# Altium PCB PCB2.PcbDoc (part 11 of 16)
Units mil, origin at the board's own origin, x right, y up, seen from the top; angles counter-clockwise.
Board outline 9200.79 x 4350.6 mil, 4 copper layers (Top Layer, Layer 1, Layer 2, Bottom Layer), stack 23.756 mil thick; 1249 components, 1355 nets, 4549 pads, 1316 vias.
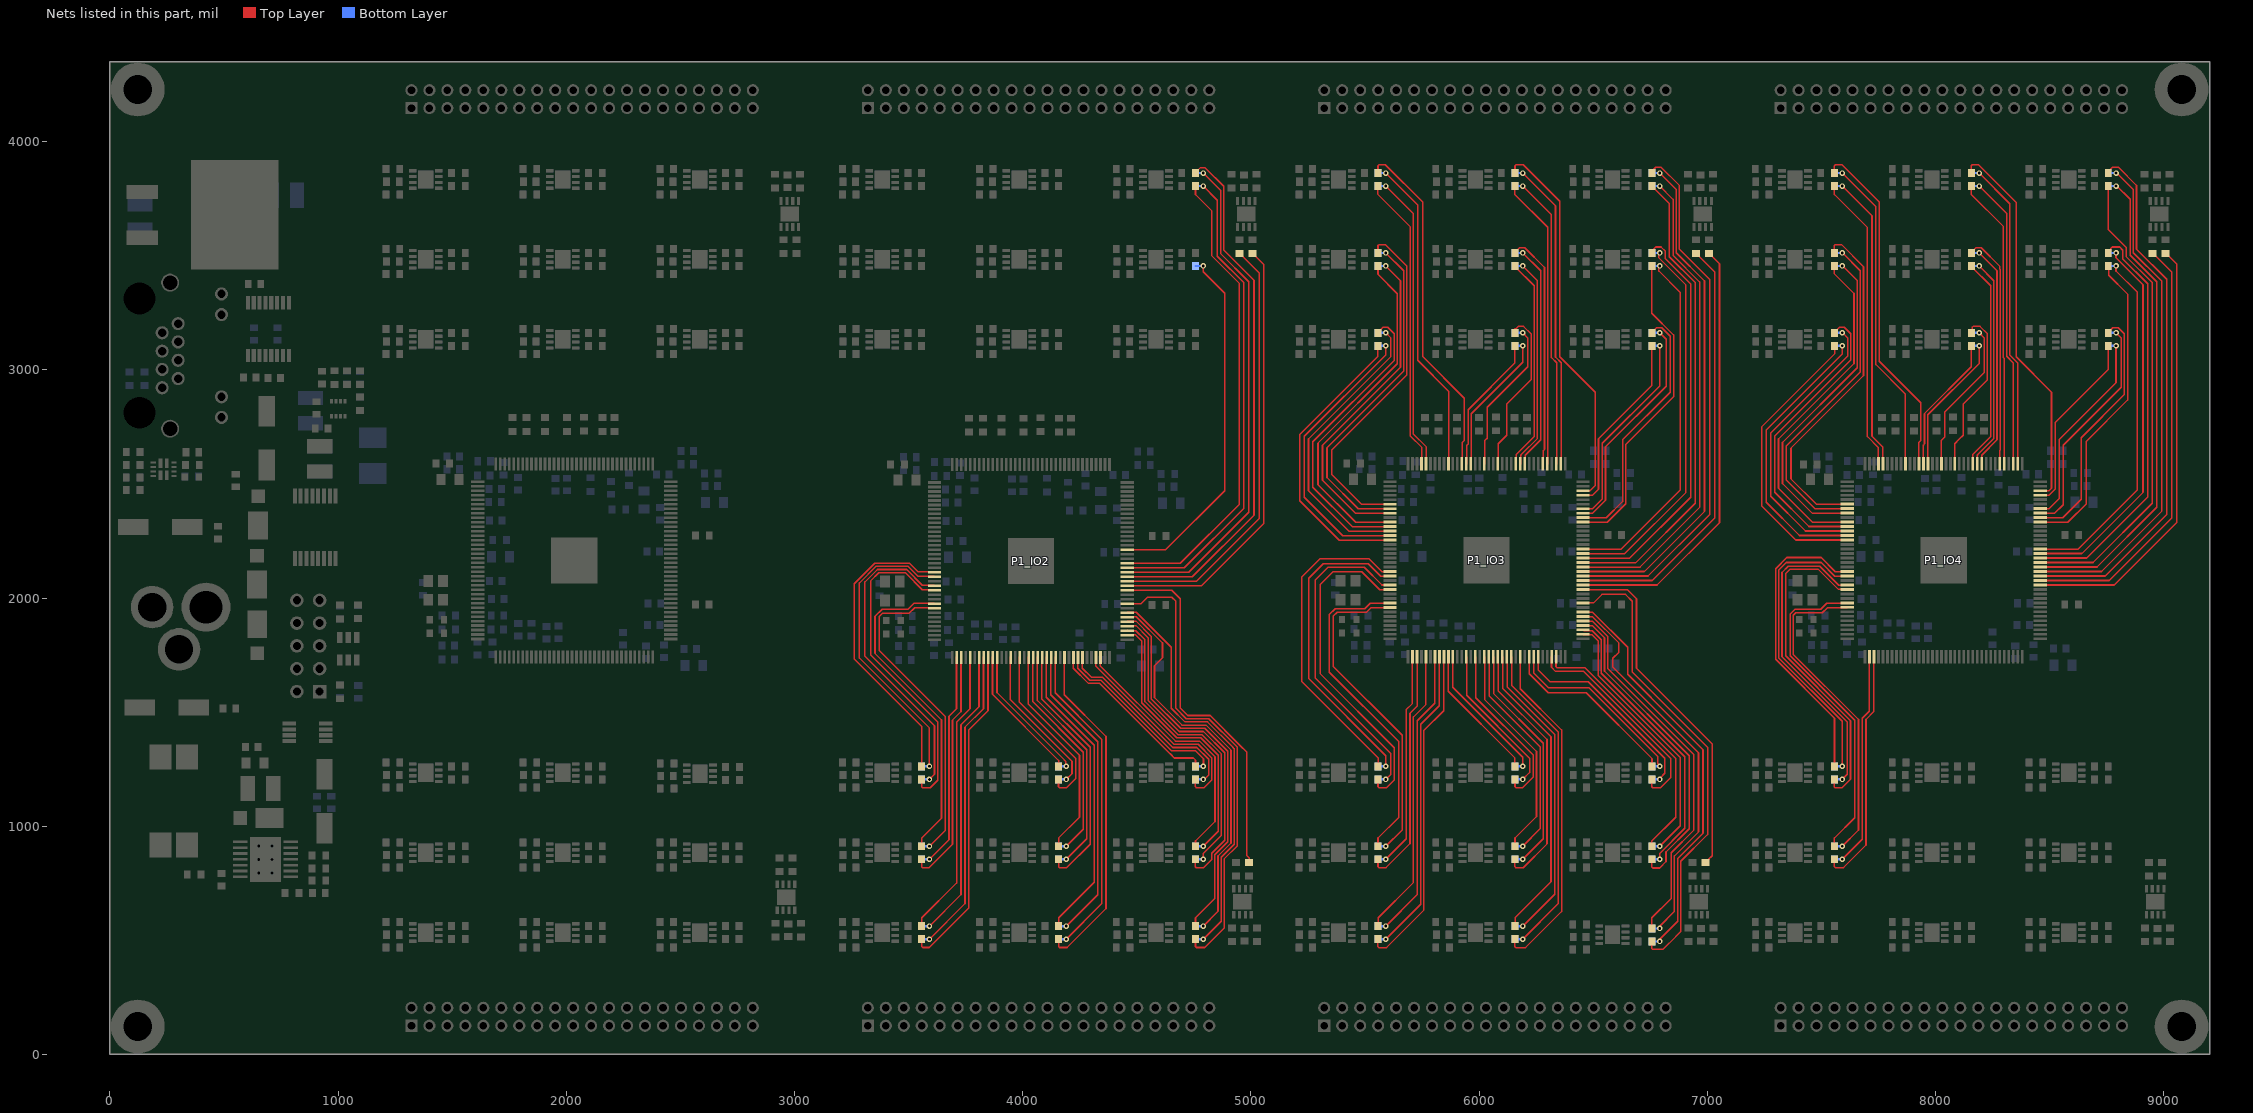
[diagram p13: the nets of this part, all layers, seen from the top]

## Via types
v1: diameter 24, hole 12, Top Layer to Bottom Layer, 1316 vias

## Nets (pads, with @x,y where several pads share a name; then routed paths per layer and width w, separated by ;. In a path a pad name is that pad's centre, name@x,y a point inside that pad or via, vN(x,y) a via of type N, cw(c..) or ccw(c..) an arc to the next point about the centre after c; other vN are vias at no path point) (continued)
V_F2_IN32: P1_IO2.93 R28_U_VoltageAmplifier162.1 | length 1591.7
  Top Layer w7: P1_IO2.93@4458.58,2211.15 4458.78,2210.95 4625.72,2210.95 4884.97,2470.21 4884.97,3335.72 4791.09,3429.61 v1(4791.09,3455.18)
  Bottom Layer w10: R28_U_VoltageAmplifier162.1@4757.09,3455.18 v1(4791.09,3455.18)
V_F2_IN33: P1_IO2.90 R26_U_VoltageAmplifier172.1 | length 2072.2
  Top Layer w7: P1_IO2.90@4458.58,2152.09 4458.78,2151.9 4690.2,2151.9 4949.62,2411.32 4949.62,3378.68 4827.59,3500.71 4827.59,3697.68 4757.09,3768.18 R26_U_VoltageAmplifier172.1@4757.09,3805.18
V_F2_IN34: P1_IO2.87 R28_U_VoltageAmplifier172.1 | length 2331.4
  Top Layer w7: P1_IO2.87@4458.58,2093.04 4458.78,2092.84 4743.31,2092.84 5013.28,2362.81 5013.28,3392.8 4880.96,3525.12 4880.96,3804.12 4800.41,3884.68 4777.09,3884.68 4757.09,3864.68 R28_U_VoltageAmplifier172.1@4757.09,3862.18
  Top Layer w10: R28_U_VoltageAmplifier172.1@4757.09,3862.18 R28_U_VoltageAmplifier172.1@4757.55,3862.64
V_F2_IN35: P1_IO2.88 R26_U_VoltageAmplifier182.1 | length 2244.3
  Top Layer w7: P1_IO2.88@4458.58,2112.72 4458.78,2112.53 4727.34,2112.53 4990.75,2375.94 4990.75,3386.16 4866.96,3509.95 4866.96,3786.3 v1(4791.09,3862.18)
  Bottom Layer w10: R26_U_VoltageAmplifier182.1@4757.09,3862.18 v1(4791.09,3862.18)
V_F2_IN36: P1_IO2.89 R28_U_VoltageAmplifier182.1 | length 2138.4
  Top Layer w7: P1_IO2.89@4458.58,2132.41 4458.78,2132.21 4707.9,2132.21 4969.21,2393.52 4969.21,3381.78 4852.96,3498.02 4852.96,3743.3 v1(4791.09,3805.18)
  Bottom Layer w10: R28_U_VoltageAmplifier182.1@4757.09,3805.18 v1(4791.09,3805.18)
V_F2_IN37: P1_IO2.86 R26_U_VoltageAmplifier192.1 | length 1888.6
  Top Layer w7: P1_IO2.86@4458.58,2073.35 4458.78,2073.16 4761.88,2073.16 5035.81,2347.08 5035.81,3424.8 R26_U_VoltageAmplifier192.1@4950.85,3509.76
V_F2_IN38: P1_IO2.85 R28_U_VoltageAmplifier192.1 | length 1914.2
  Top Layer w7: P1_IO2.85@4458.58,2053.67 4458.78,2053.47 4783.07,2053.47 5056.38,2326.78 5056.38,3461.24 R28_U_VoltageAmplifier192.1@5007.85,3509.76
V_F2_IN39: P1_IO2.25 R26_U_VoltageAmplifier202.1 | length 1439.4
  Top Layer w7: R26_U_VoltageAmplifier202.1@3556.63,1204.72 3556.63,1172.28 3560.73,1168.18 3594.65,1168.18 3627.59,1201.12 3627.59,1456.86 3333.25,1751.19 3333.25,2074.99 3368.98,2110.72 3485.94,2110.72 3560.08,2036.58 P1_IO2.25@3611.97,2036.58
  Top Layer w10: R26_U_VoltageAmplifier202.1@3556.63,1204.72 R26_U_VoltageAmplifier202.1@3557.09,1205.18
V_F2_IN40: P1_IO2.21 R28_U_VoltageAmplifier202.1 | length 1326.4
  Top Layer w7: R28_U_VoltageAmplifier202.1@3557.09,1262.18 3557.55,1262.64 3557.55,1437.34 3261.69,1733.2 3261.69,2062.83 3351.58,2152.72 3503.34,2152.72 3540.74,2115.32 P1_IO2.21@3611.97,2115.32
V_F2_IN41: P1_IO2.22 R26_U_VoltageAmplifier212.1 | length 1340.2
  Top Layer w7: v1(3591.09,1262.18) 3591.09,1430.34 3284.46,1736.96 3284.46,2065.8 3357.38,2138.72 3497.54,2138.72 3540.62,2095.64 P1_IO2.22@3611.97,2095.64
  Bottom Layer w10: R26_U_VoltageAmplifier212.1@3557.09,1262.18 v1(3591.09,1262.18)
V_F2_IN42: P1_IO2.24 R28_U_VoltageAmplifier212.1 | length 1389
  Top Layer w7: v1(3591.09,1205.18) 3613.59,1227.68 3613.59,1439.76 3308.53,1744.81 3308.53,2070.07 3363.18,2124.72 3491.74,2124.72 3560.19,2056.27 P1_IO2.24@3611.97,2056.27
  Bottom Layer w10: R28_U_VoltageAmplifier212.1@3557.09,1205.18 v1(3591.09,1205.18)
V_F2_IN43: P1_IO2.39 R26_U_VoltageAmplifier222.1 | length 1049.3
  Top Layer w7: R26_U_VoltageAmplifier222.1@3556.63,854.72 3556.63,822.28 3560.73,818.18 3589.48,818.18 3692.37,921.07 3692.37,1465.06 3729.61,1502.3 P1_IO2.39@3729.61,1741.78
  Top Layer w10: R26_U_VoltageAmplifier222.1@3556.63,854.72 R26_U_VoltageAmplifier222.1@3557.09,855.18
V_F2_IN44: P1_IO2.28 R28_U_VoltageAmplifier222.1 | length 1447.8
  Top Layer w7: R28_U_VoltageAmplifier222.1@3557.09,912.18 3557.55,912.64 3557.55,948.72 3644.23,1035.41 3644.23,1465.84 3352.77,1757.3 3352.77,1920.17 3383.86,1951.26 3496.93,1951.26 3523.2,1977.53 P1_IO2.28@3611.97,1977.53
V_F2_IN45: P1_IO2.29 R26_U_VoltageAmplifier232.1 | length 1446.4
  Top Layer w7: v1(3591.09,912.18) 3661.26,982.36 3661.26,1480.21 3371.63,1769.84 3371.63,1919.24 3385.95,1933.55 3501.96,1933.55 3526.25,1957.84 P1_IO2.29@3611.97,1957.84
  Bottom Layer w10: R26_U_VoltageAmplifier232.1@3557.09,912.18 v1(3591.09,912.18)
V_F2_IN46: P1_IO2.38 R28_U_VoltageAmplifier232.1 | length 969.8
  Top Layer w7: v1(3591.09,855.18) 3676.81,940.91 3676.81,1481.69 3709.92,1514.8 P1_IO2.38@3709.92,1741.78
  Bottom Layer w10: R28_U_VoltageAmplifier232.1@3557.09,855.18 v1(3591.09,855.18)
V_F2_IN47: P1_IO2.45 R26_U_VoltageAmplifier242.1 | length 1447.3
  Top Layer w7: R26_U_VoltageAmplifier242.1@3557.09,505.18 3557.09,472.74 3561.19,468.64 3590.66,468.64 3763.46,641.44 3763.46,1421.7 3847.72,1505.96 P1_IO2.45@3847.72,1741.78
V_F2_IN48: P1_IO2.41 R28_U_VoltageAmplifier242.1 | length 1267.4
  Top Layer w7: R28_U_VoltageAmplifier242.1@3557.09,562.18 3557.55,562.64 3557.55,598.72 3710.14,751.32 3710.14,1455.77 3768.98,1514.61 P1_IO2.41@3768.98,1741.78
V_F2_IN49: P1_IO2.43 R26_U_VoltageAmplifier252.1 | length 1303.6
  Top Layer w7: v1(3591.09,562.18) 3729.39,700.49 3729.39,1444.66 3808.35,1523.61 P1_IO2.43@3808.35,1741.78
  Bottom Layer w10: R26_U_VoltageAmplifier252.1@3557.09,562.18 v1(3591.09,562.18)
V_F2_IN50: P1_IO2.44 R28_U_VoltageAmplifier252.1 | length 1368.7
  Top Layer w7: v1(3591.09,505.18) 3747.17,661.26 3747.17,1434.29 3828.03,1515.16 P1_IO2.44@3828.03,1741.78
  Bottom Layer w10: R28_U_VoltageAmplifier252.1@3557.09,505.18 v1(3591.09,505.18)
V_F2_IN51: P1_IO2.52 R26_U_VoltageAmplifier262.1 | length 762
  Top Layer w7: P1_IO2.52@3985.51,1741.78 3985.51,1543.27 4231.92,1296.86 4231.92,1208.75 4191.35,1168.18 4160.73,1168.18 4156.63,1172.28 R26_U_VoltageAmplifier262.1@4156.63,1204.72
  Top Layer w10: R26_U_VoltageAmplifier262.1@4156.63,1204.72 R26_U_VoltageAmplifier262.1@4157.09,1205.18
V_F2_IN52: P1_IO2.46 R28_U_VoltageAmplifier262.1 | length 599.6
  Top Layer w7: P1_IO2.46@3867.4,1741.78 3867.4,1577.67 4157.09,1287.99 R28_U_VoltageAmplifier262.1@4157.09,1262.18
V_F2_IN53: P1_IO2.47 R26_U_VoltageAmplifier272.1 | length 639.5
  Top Layer w7: P1_IO2.47@3887.09,1741.78 3887.09,1585.83 4182.74,1290.18 4187.83,1285.09 4187.83,1265.43 v1(4191.09,1262.18)
  Bottom Layer w10: R26_U_VoltageAmplifier272.1@4157.09,1262.18 v1(4191.09,1262.18)
V_F2_IN54: P1_IO2.50 R28_U_VoltageAmplifier272.1 | length 692.6
  Top Layer w7: P1_IO2.50@3946.14,1741.78 3946.14,1554.36 4215.86,1284.64 4215.86,1229.95 v1(4191.09,1205.18)
  Bottom Layer w10: R28_U_VoltageAmplifier272.1@4157.09,1205.18 v1(4191.09,1205.18)
V_F2_IN55: P1_IO2.57 R26_U_VoltageAmplifier282.1 | length 1123.5
  Top Layer w7: P1_IO2.57@4083.94,1741.78 4083.94,1557.39 4295.64,1345.69 4295.64,921.12 4193.15,818.64 4161.19,818.64 4157.09,822.74 R26_U_VoltageAmplifier282.1@4157.09,855.18
V_F2_IN56: P1_IO2.54 R28_U_VoltageAmplifier282.1 | length 960.2
  Top Layer w7: P1_IO2.54@4024.89,1741.78 4024.89,1535 4248.62,1311.27 4248.62,1039.79 4157.09,948.26 R28_U_VoltageAmplifier282.1@4157.09,912.18
V_F2_IN57: P1_IO2.55 R26_U_VoltageAmplifier292.1 | length 985.8
  Top Layer w7: P1_IO2.55@4044.57,1741.78 4044.57,1545.29 4265.32,1324.54 4265.32,986.41 v1(4191.09,912.18)
  Bottom Layer w10: R26_U_VoltageAmplifier292.1@4157.09,912.18 v1(4191.09,912.18)
V_F2_IN58: P1_IO2.56 R28_U_VoltageAmplifier292.1 | length 1047.4
  Top Layer w7: P1_IO2.56@4064.26,1741.78 4064.26,1551.06 4280.73,1334.58 4280.73,944.83 v1(4191.09,855.18)
  Bottom Layer w10: R28_U_VoltageAmplifier292.1@4157.09,855.18 v1(4191.09,855.18)
V_F2_IN59: P1_IO2.62 R26_U_VoltageAmplifier302.1 | length 1490.6
  Top Layer w7: R26_U_VoltageAmplifier302.1@4157.09,505.18 4157.09,472.74 4161.19,468.64 4194.05,468.64 4364.87,639.47 4364.87,1392.96 4182.37,1575.47 P1_IO2.62@4182.37,1741.78
V_F2_IN60: P1_IO2.58 R28_U_VoltageAmplifier302.1 | length 1331.3
  Top Layer w7: P1_IO2.58@4103.63,1741.78 4103.63,1564.94 4313.49,1355.08 4313.49,754.67 4157.55,598.72 4157.55,562.64 R28_U_VoltageAmplifier302.1@4157.09,562.18
V_F2_IN61: P1_IO2.59 R26_U_VoltageAmplifier312.1 | length 1355.8
  Top Layer w7: P1_IO2.59@4123.31,1741.78 4123.31,1576.27 4328.9,1370.67 4328.9,700 v1(4191.09,562.18)
  Bottom Layer w10: R26_U_VoltageAmplifier312.1@4157.09,562.18 v1(4191.09,562.18)
V_F2_IN62: P1_IO2.60 R28_U_VoltageAmplifier312.1 | length 1419.6
  Top Layer w7: P1_IO2.60@4143,1741.78 4143,1584.3 4346.89,1380.4 4346.89,660.98 v1(4191.09,505.18)
  Bottom Layer w10: R28_U_VoltageAmplifier312.1@4157.09,505.18 v1(4191.09,505.18)
V_F2_IN63: P1_IO2.69 R26_U_VoltageAmplifier322.1 | length 932.3
  Top Layer w7: P1_IO2.69@4320.16,1741.78 4320.16,1702.13 4663.23,1359.06 4768.63,1359.06 4828.76,1298.93 4828.76,1202.83 4794.34,1168.41 4760.96,1168.41 4756.86,1172.51 R26_U_VoltageAmplifier322.1@4756.86,1204.95
  Top Layer w10: R26_U_VoltageAmplifier322.1@4756.63,1204.72 R26_U_VoltageAmplifier322.1@4757.09,1205.18
V_F2_IN64: P1_IO2.64 R28_U_VoltageAmplifier322.1 | length 781
  Top Layer w7: P1_IO2.64@4221.74,1741.78 4221.74,1692.04 4288.18,1625.59 4337.3,1625.59 4645.83,1317.06 4646.23,1317.06 4664.56,1298.72 4748.13,1298.72 4757.09,1289.76 R28_U_VoltageAmplifier322.1@4757.09,1262.18
  Top Layer w10: R28_U_VoltageAmplifier322.1@4757.09,1262.18 R28_U_VoltageAmplifier322.1@4757.55,1262.64 ; R28_U_VoltageAmplifier322.1@4757.55,1259.31 R28_U_VoltageAmplifier322.1@4758.26,1258.59
V_F2_IN65: P1_IO2.65 R26_U_VoltageAmplifier332.1 | length 835.8
  Top Layer w7: P1_IO2.65@4241.42,1741.66 4241.42,1692.15 4293.98,1639.59 4343.1,1639.59 4651.63,1331.06 4757.03,1331.06 4792.26,1295.83 v1@4792.26,1258.59
  Bottom Layer w10: R26_U_VoltageAmplifier332.1@4757.09,1262.18 v1(4791.09,1262.18)
V_F2_IN66: P1_IO2.66 R28_U_VoltageAmplifier332.1 | length 903.4
  Top Layer w7: P1_IO2.66@4261.11,1741.78 4261.11,1692.26 4299.78,1653.59 4348.9,1653.59 4657.43,1345.06 4762.83,1345.06 4814.76,1293.13 4814.76,1224.09 v1@4792.26,1201.59
  Bottom Layer w10: R28_U_VoltageAmplifier332.1@4757.09,1205.18 v1(4791.09,1205.18)
V_F2_IN67: P1_IO2.76 R26_U_VoltageAmplifier342.1 | length 1430.9
  Top Layer w7: P1_IO2.76@4457.48,1879.1 4496.09,1879.1 4549.46,1825.73 4549.46,1552.03 4686.43,1415.06 4791.82,1415.06 4884.76,1322.12 4884.76,938.05 4827.9,881.19 4827.9,853.91 4792.17,818.18 4760.73,818.18 4756.63,822.28 R26_U_VoltageAmplifier342.1@4756.63,854.72
  Top Layer w10: R26_U_VoltageAmplifier342.1@4756.63,854.72 R26_U_VoltageAmplifier342.1@4757.09,855.18
V_F2_IN68: P1_IO2.70 R28_U_VoltageAmplifier342.1 | length 1136.4
  Top Layer w7: P1_IO2.70@4339.85,1741.78 4339.85,1702.24 4669.03,1373.06 4774.42,1373.06 4842.76,1304.72 4842.76,1020.81 4757.09,935.13 R28_U_VoltageAmplifier342.1@4757.09,912.18
  Top Layer w10: R28_U_VoltageAmplifier342.1@4757.09,912.18 4757.55,912.64 R28_U_VoltageAmplifier342.1@4757.09,912.18
V_F2_IN69: P1_IO2.74 R26_U_VoltageAmplifier352.1 | length 1236.7
  Top Layer w7: P1_IO2.74@4457.48,1839.73 4493.02,1839.73 4521.46,1811.29 4521.46,1540.43 4674.83,1387.06 4780.22,1387.06 4856.76,1310.52 4856.76,977.85 v1(4791.09,912.18)
  Bottom Layer w10: R26_U_VoltageAmplifier352.1@4757.09,912.18 v1(4791.09,912.18)
V_F2_IN70: P1_IO2.75 R28_U_VoltageAmplifier352.1 | length 1325
  Top Layer w7: P1_IO2.75@4457.48,1859.42 4459.89,1857.01 4495.54,1857.01 4535.46,1817.09 4535.46,1546.23 4680.63,1401.06 4786.02,1401.06 4870.76,1316.32 4870.76,960.03 4791.09,880.36 v1(4791.09,855.18)
  Bottom Layer w10: R28_U_VoltageAmplifier352.1@4757.09,855.18 v1(4791.09,855.18)
V_F2_IN71: P1_IO2.81 R26_U_VoltageAmplifier362.1 | length 2052.4
  Top Layer w7: P1_IO2.81@4458.58,1974.93 4459.25,1975.59 4518.94,1975.59 4547.14,2003.79 4653.06,2003.79 4671.26,1985.59 4671.26,1516.86 4717.06,1471.06 4815.59,1471.06 4935.26,1351.39 4935.26,1351.09 4940.76,1345.59 4940.76,914.86 4883.9,857.99 4883.9,554.97 4797.57,468.64 4761.19,468.64 4757.09,472.74 R26_U_VoltageAmplifier362.1@4757.09,505.18
V_F2_IN72: P1_IO2.77 R28_U_VoltageAmplifier362.1 | length 1663.8
  Top Layer w7: P1_IO2.77@4457.48,1898.79 4496.2,1898.79 4563.46,1831.53 4563.46,1557.82 4692.23,1429.06 4797.62,1429.06 4898.76,1327.92 4898.76,932.25 4841.9,875.39 4841.9,683.07 4757.09,598.26 R28_U_VoltageAmplifier362.1@4757.09,562.18
  Top Layer w10: R28_U_VoltageAmplifier362.1@4757.09,562.18 4757.55,562.64 R28_U_VoltageAmplifier362.1@4757.09,562.18
V_F2_IN73: P1_IO2.78 R26_U_VoltageAmplifier372.1 | length 1743.2
  Top Layer w7: P1_IO2.78@4457.48,1918.47 4497.02,1918.47 4612.53,1802.96 4612.53,1738.36 4577.46,1703.3 4577.46,1563.62 4698.02,1443.06 4803.42,1443.06 4912.76,1333.72 4912.76,926.45 4855.9,869.59 4855.9,626.99 v1(4791.09,562.18)
  Bottom Layer w10: R26_U_VoltageAmplifier372.1@4757.09,562.18 v1(4791.09,562.18)
V_F2_IN74: P1_IO2.79 R28_U_VoltageAmplifier372.1 | length 1798.5
  Top Layer w7: P1_IO2.79@4457.48,1938.16 4497.13,1938.16 4651.31,1783.98 4651.31,1517.01 4711.26,1457.06 4809.79,1457.06 4921.26,1345.59 4921.26,1345.02 4926.76,1339.52 4926.76,920.66 4869.9,863.79 4869.9,583.99 v1(4791.09,505.18)
  Bottom Layer w10: R28_U_VoltageAmplifier372.1@4757.09,505.18 v1(4791.09,505.18)
V_F2_IN75: P1_IO2.84 R26_U_VoltageAmplifier382.1 | length 1586.2
  Top Layer w7: P1_IO2.84@4458.58,2033.98 4458.78,2033.79 4653,2033.79 4689.78,1997 4689.78,1518.13 4722.86,1485.06 4821.39,1485.06 4949.26,1357.19 4949.26,1356.89 4982.45,1323.7 4982.45,870.64 4992.13,860.96 R26_U_VoltageAmplifier382.1@4992.13,840.96
  Top Layer w10: R26_U_VoltageAmplifier382.1@4991.67,841.42 R26_U_VoltageAmplifier382.1@4992.13,840.96
V_F3_IN1: P1_IO3.14 R26_U_VoltageAmplifier13.1 | length 1291.1
  Top Layer w7: R26_U_VoltageAmplifier13.1@5556.63,3104.72 5556.63,3058.9 5213.8,2716.07 5213.8,2426.12 5386.8,2253.12 P1_IO3.14@5611.97,2253.12
  Top Layer w10: R26_U_VoltageAmplifier13.1@5556.63,3104.72 R26_U_VoltageAmplifier13.1@5557.09,3105.18
V_F3_IN2: P1_IO3.11 R28_U_VoltageAmplifier13.1 | length 1325.7
  Top Layer w7: R28_U_VoltageAmplifier13.1@5557.09,3162.18 5557.09,3164.68 5578.49,3186.08 5599.01,3186.08 5627.59,3157.5 5627.59,3040.67 5271.28,2684.37 5271.28,2485.57 5444.68,2312.17 P1_IO3.11@5611.97,2312.17
V_F3_IN3: P1_IO3.12 R26_U_VoltageAmplifier23.1 | length 1318.7
  Top Layer w7: v1(5591.09,3162.18) 5613.59,3139.68 5613.59,3058.2 5252.13,2696.75 5252.13,2469.81 5429.45,2292.49 P1_IO3.12@5611.97,2292.49
  Bottom Layer w10: R26_U_VoltageAmplifier23.1@5557.09,3162.18 v1(5591.09,3162.18)
V_F3_IN4: P1_IO3.13 R28_U_VoltageAmplifier23.1 | length 1293.3
  Top Layer w7: v1(5591.09,3105.18) 5591.09,3065.23 5234.17,2708.31 5234.17,2441.34 5402.71,2272.8 P1_IO3.13@5611.97,2272.8
  Bottom Layer w10: R28_U_VoltageAmplifier23.1@5557.09,3105.18 v1(5591.09,3105.18)
V_F3_IN5: P1_IO3.10 R26_U_VoltageAmplifier33.1 | length 1523.6
  Top Layer w7: R26_U_VoltageAmplifier33.1@5557.09,3455.18 5557.09,3418.18 5641.59,3333.68 5641.59,3026.54 5294.03,2678.98 5294.03,2496.78 5458.95,2331.86 P1_IO3.10@5611.97,2331.86
V_F3_IN6: P1_IO3.6 R28_U_VoltageAmplifier33.1 | length 1560.3
  Top Layer w7: R28_U_VoltageAmplifier33.1@5557.09,3512.18 5557.09,3544.62 5561.19,3548.72 5588.75,3548.72 5683.59,3453.88 5683.59,2978.76 5355.08,2650.25 5355.08,2540.19 5484.67,2410.6 P1_IO3.6@5611.97,2410.6
V_F3_IN7: P1_IO3.7 R26_U_VoltageAmplifier43.1 | length 1525.3
  Top Layer w7: v1(5591.09,3512.18) 5669.59,3433.68 5669.59,2994.69 5333.53,2658.63 5333.53,2527.69 5470.31,2390.91 P1_IO3.7@5611.97,2390.91
  Bottom Layer w10: R26_U_VoltageAmplifier43.1@5557.09,3512.18 v1(5591.09,3512.18)
V_F3_IN8: P1_IO3.8 R28_U_VoltageAmplifier43.1 | length 1499.9
  Top Layer w7: v1(5591.09,3455.18) 5655.59,3390.68 5655.59,3011.81 5313.78,2670 5313.78,2515.59 5458.15,2371.23 P1_IO3.8@5611.97,2371.23
  Bottom Layer w10: R28_U_VoltageAmplifier43.1@5557.09,3455.18 v1(5591.09,3455.18)
V_F3_IN9: P1_IO3.141 R26_U_VoltageAmplifier53.1 | length 1297.2
  Top Layer w7: R26_U_VoltageAmplifier53.1@5556.63,3804.72 5556.63,3768.64 5697.59,3627.68 5697.59,2711.45 5749.29,2659.74 P1_IO3.141@5749.29,2587.29
V_F3_IN10: P1_IO3.132 R28_U_VoltageAmplifier53.1 | length 1524.5
  Top Layer w7: R28_U_VoltageAmplifier53.1@5557.09,3862.18 5557.09,3894.62 5561.19,3898.72 5589.25,3898.72 5753.59,3734.38 5753.59,3056.86 5935.05,2875.4 5935.05,2710.45 5935.05,2690.13 5926.46,2681.54 P1_IO3.132@5926.46,2587.29
V_F3_IN11: P1_IO3.135 R26_U_VoltageAmplifier63.1 | length 1423.3
  Top Layer w7: v1(5591.09,3862.18) 5730.87,3722.4 5730.87,3041.8 5867.4,2905.27 P1_IO3.135@5867.4,2587.29
  Bottom Layer w10: R26_U_VoltageAmplifier63.1@5557.09,3862.18 v1(5591.09,3862.18)
V_F3_IN12: P1_IO3.140 R28_U_VoltageAmplifier63.1 | length 1325.6
  Top Layer w7: v1(5591.09,3805.18) 5711.59,3684.68 5711.59,2718.81 5768.98,2661.41 P1_IO3.140@5768.98,2587.29
  Bottom Layer w10: R28_U_VoltageAmplifier63.1@5557.09,3805.18 v1(5591.09,3805.18)
V_F3_IN13: P1_IO3.131 R26_U_VoltageAmplifier73.1 | length 605.3
  Top Layer w7: P1_IO3.131@5946.14,2587.29 5946.14,2669.5 5951.83,2675.19 5951.83,2824.81 6156.63,3029.61 R26_U_VoltageAmplifier73.1@6156.63,3104.72
  Top Layer w10: R26_U_VoltageAmplifier73.1@6156.63,3104.72 R26_U_VoltageAmplifier73.1@6157.09,3105.18
V_F3_IN14: P1_IO3.124 R28_U_VoltageAmplifier73.1 | length 732.9
  Top Layer w7: P1_IO3.124@6083.94,2587.29 6083.94,2676.54 6120.97,2713.57 6120.97,2850.37 6227.59,2956.99 6227.59,3157.5 6194.91,3190.18 6171.8,3190.18 R28_U_VoltageAmplifier73.1@6159.62,3178
  Top Layer w10: R28_U_VoltageAmplifier73.1@6157.55,3178 R28_U_VoltageAmplifier73.1@6157.55,3162.64 ; R28_U_VoltageAmplifier73.1@6157.55,3162.64 R28_U_VoltageAmplifier73.1@6157.09,3162.18 R28_U_VoltageAmplifier73.1@6157.55,3162.64
V_F3_IN15: P1_IO3.127 R26_U_VoltageAmplifier83.1 | length 696.4
  Top Layer w7: P1_IO3.127@6024.89,2587.29 6024.89,2689.88 6035.65,2700.64 6035.65,2835.84 6213.59,3013.78 6213.59,3139.68 v1(6191.09,3162.18)
  Bottom Layer w10: R26_U_VoltageAmplifier83.1@6157.09,3162.18 v1(6191.09,3162.18)
V_F3_IN16: P1_IO3.130 R28_U_VoltageAmplifier83.1 | length 645.2
  Top Layer w7: P1_IO3.130@5965.83,2587.29 5965.83,2807.58 6191.09,3032.84 v1(6191.09,3105.18)
  Bottom Layer w10: R28_U_VoltageAmplifier83.1@6157.09,3105.18 v1(6191.09,3105.18)
V_F3_IN17: P1_IO3.120 R26_U_VoltageAmplifier93.1 | length 935.3
  Top Layer w7: R26_U_VoltageAmplifier93.1@6156.63,3454.72 6156.63,3453.14 6241.59,3368.18 6241.59,2708.04 6162.68,2629.14 P1_IO3.120@6162.68,2587.29
V_F3_IN18: P1_IO3.114 R28_U_VoltageAmplifier93.1 | length 1037.6
  Top Layer w7: R28_U_VoltageAmplifier93.1@6157.09,3514.68 6177.09,3534.68 6200.41,3534.68 6286.48,3448.61 6286.48,2651.11 6280.79,2645.43 P1_IO3.114@6280.79,2587.29
  Top Layer w10: R28_U_VoltageAmplifier93.1@6157.09,3512.18 R28_U_VoltageAmplifier93.1@6157.55,3512.64
V_F3_IN19: P1_IO3.118 R26_U_VoltageAmplifier103.1 | length 1019.4
  Top Layer w7: v1(6191.09,3512.18) 6269.59,3433.68 6269.59,2693.62 6202.05,2626.08 P1_IO3.118@6202.05,2587.29
  Bottom Layer w10: R26_U_VoltageAmplifier103.1@6157.09,3512.18 v1(6191.09,3512.18)
V_F3_IN20: P1_IO3.119 R28_U_VoltageAmplifier103.1 | length 958.9
  Top Layer w7: P1_IO3.119@6182.37,2587.29 6182.37,2626.19 6188.05,2631.88 6255.59,2699.42 6255.59,3390.68 v1(6191.09,3455.18)
  Bottom Layer w10: R28_U_VoltageAmplifier103.1@6157.09,3455.18 v1(6191.09,3455.18)
V_F3_IN21: P1_IO3.113 R26_U_VoltageAmplifier113.1 | length 1277
  Top Layer w7: R26_U_VoltageAmplifier113.1@6156.63,3804.72 6156.63,3768.64 6300.48,3624.79 P1_IO3.113@6300.48,2587.29
V_F3_IN22: P1_IO3.106 R28_U_VoltageAmplifier113.1 | length 1668.5
  Top Layer w7: R28_U_VoltageAmplifier113.1@6157.09,3862.18 6157.09,3894.62 6161.19,3898.72 6193.06,3898.72 6353.59,3738.2 6353.59,3056.86 6508.36,2902.09 6508.36,2493.27 6485.59,2470.5 P1_IO3.106@6455.48,2470.5
V_F3_IN23: P1_IO3.110 R26_U_VoltageAmplifier123.1 | length 1378.7
  Top Layer w7: v1(6191.09,3862.18) 6334.79,3718.48 6334.79,3055.86 6359.53,3031.12 P1_IO3.110@6359.53,2587.29
  Bottom Layer w10: R26_U_VoltageAmplifier123.1@6157.09,3862.18 v1(6191.09,3862.18)
V_F3_IN24: P1_IO3.111 R28_U_VoltageAmplifier123.1 | length 1313.5
  Top Layer w7: v1(6191.09,3805.18) 6316.82,3679.45 6316.82,3054.03 6339.85,3031 P1_IO3.111@6339.85,2587.29
  Bottom Layer w10: R28_U_VoltageAmplifier123.1@6157.09,3805.18 v1(6191.09,3805.18)
V_F3_IN25: P1_IO3.105 R26_U_VoltageAmplifier133.1 | length 801.8
  Top Layer w7: P1_IO3.105@6457.48,2449.97 6497.02,2449.97 6523.19,2476.14 6523.19,2697.52 6756.63,2930.96 R26_U_VoltageAmplifier133.1@6756.63,3104.72
V_F3_IN26: P1_IO3.100 R28_U_VoltageAmplifier133.1 | length 1119.5
  Top Layer w7: P1_IO3.100@6457.48,2351.54 6557.66,2351.54 6628.68,2422.57 6628.68,2693 6837.67,2901.98 6837.67,3147.42 6800.41,3184.68 6777.09,3184.68 6757.09,3164.68 R28_U_VoltageAmplifier133.1@6757.09,3162.18
  Top Layer w10: R28_U_VoltageAmplifier133.1@6757.09,3162.18 R28_U_VoltageAmplifier133.1@6757.55,3162.64
V_F3_IN27: P1_IO3.101 R26_U_VoltageAmplifier143.1 | length 1009.9
  Top Layer w7: P1_IO3.101@6457.48,2371.23 6497.13,2371.23 6553.97,2428.07 6553.97,2662.67 6819.5,2928.19 6819.5,3133.77 v1(6791.09,3162.18)
  Bottom Layer w10: R26_U_VoltageAmplifier143.1@6757.09,3162.18 v1(6791.09,3162.18)
V_F3_IN28: P1_IO3.102 R28_U_VoltageAmplifier143.1 | length 909.6
  Top Layer w7: P1_IO3.102@6457.48,2390.91 6497.02,2390.91 6539.97,2433.87 6539.97,2678.03 6791.09,2929.15 v1(6791.09,3105.18)
  Bottom Layer w10: R28_U_VoltageAmplifier143.1@6757.09,3105.18 v1(6791.09,3105.18)
V_F3_IN29: P1_IO3.99 R26_U_VoltageAmplifier153.1 | length 1387.6
  Top Layer w7: P1_IO3.99@6457.48,2331.86 6561.62,2331.86 6642.61,2412.85 6642.61,2416.7 6642.68,2416.77 6642.68,2672.88 6852.21,2882.41 6852.21,3152.68 6756.63,3248.26 R26_U_VoltageAmplifier153.1@6756.63,3454.72